# Altium PCB EASY-EAI-Nano-TB V1.01.PCBDOC (part 1 of 7)
Units mm, origin at the board's own origin, x right, y up, seen from the top; angles counter-clockwise.
Board outline 120 x 90 mm, 4 copper layers (Top Layer, GND, VCC, Bottom Layer); 667 components, 452 nets, 2251 pads, 1430 vias.
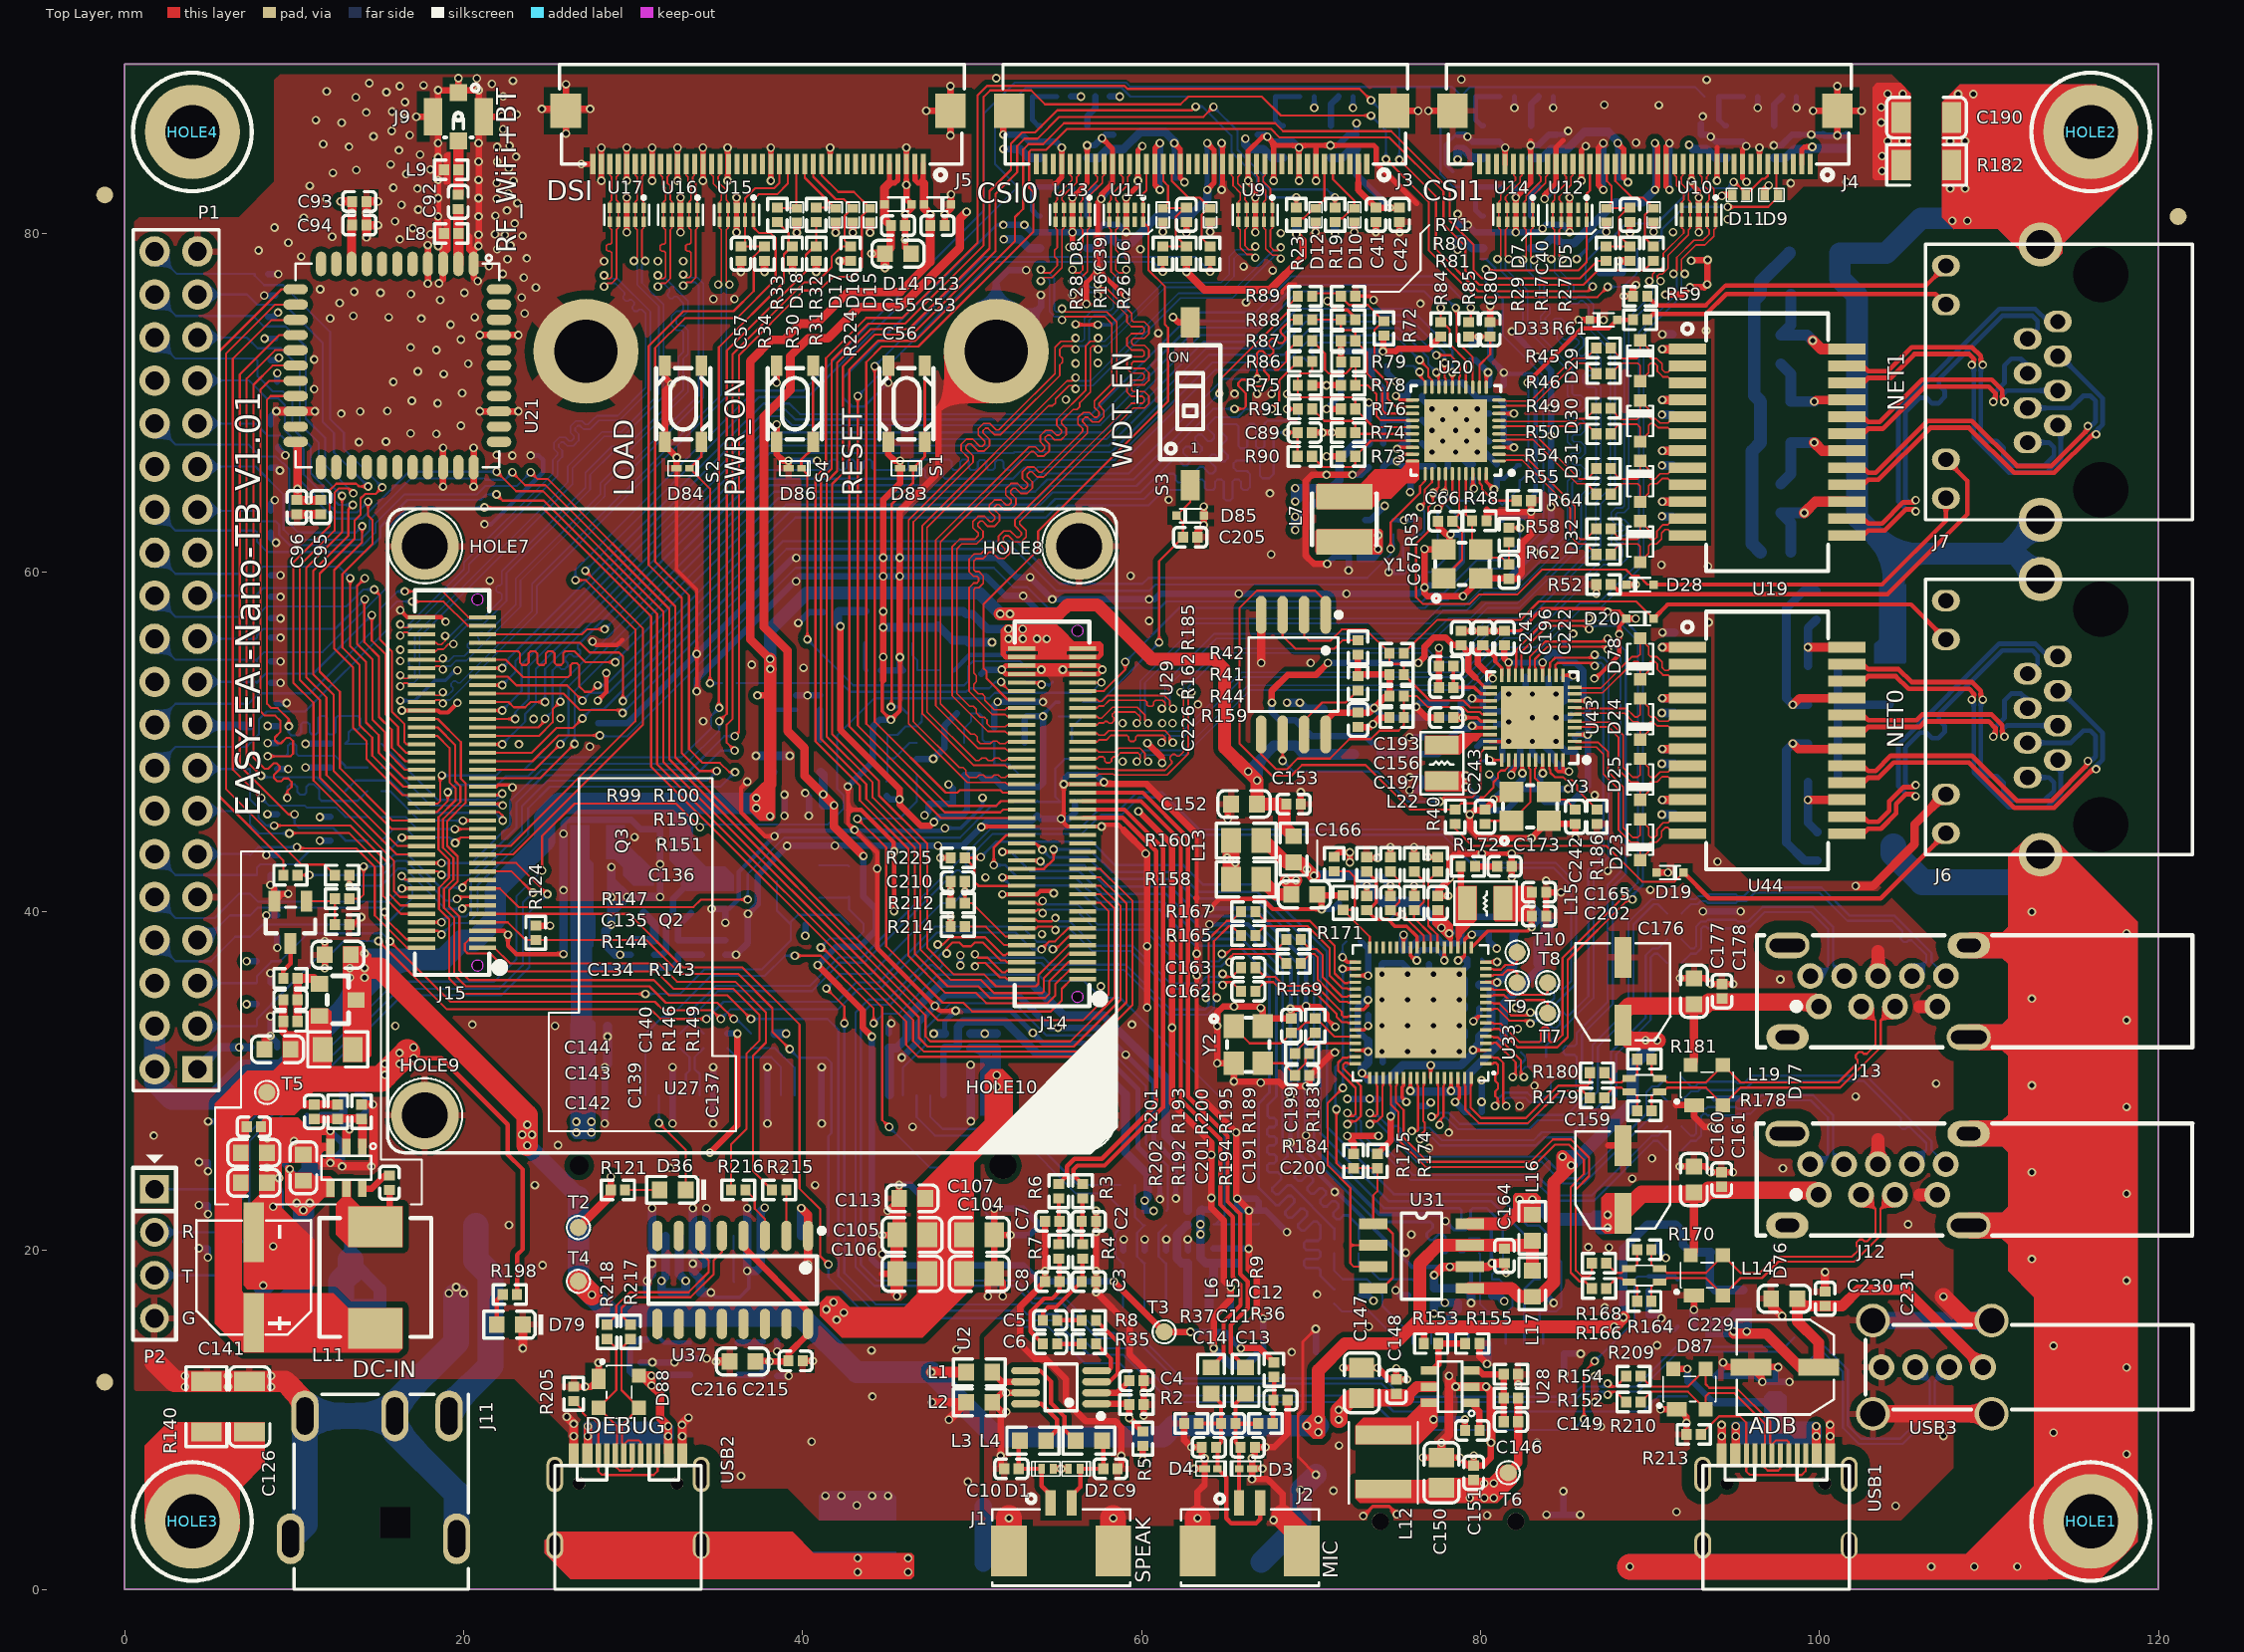
[diagram p0: Top Layer view]
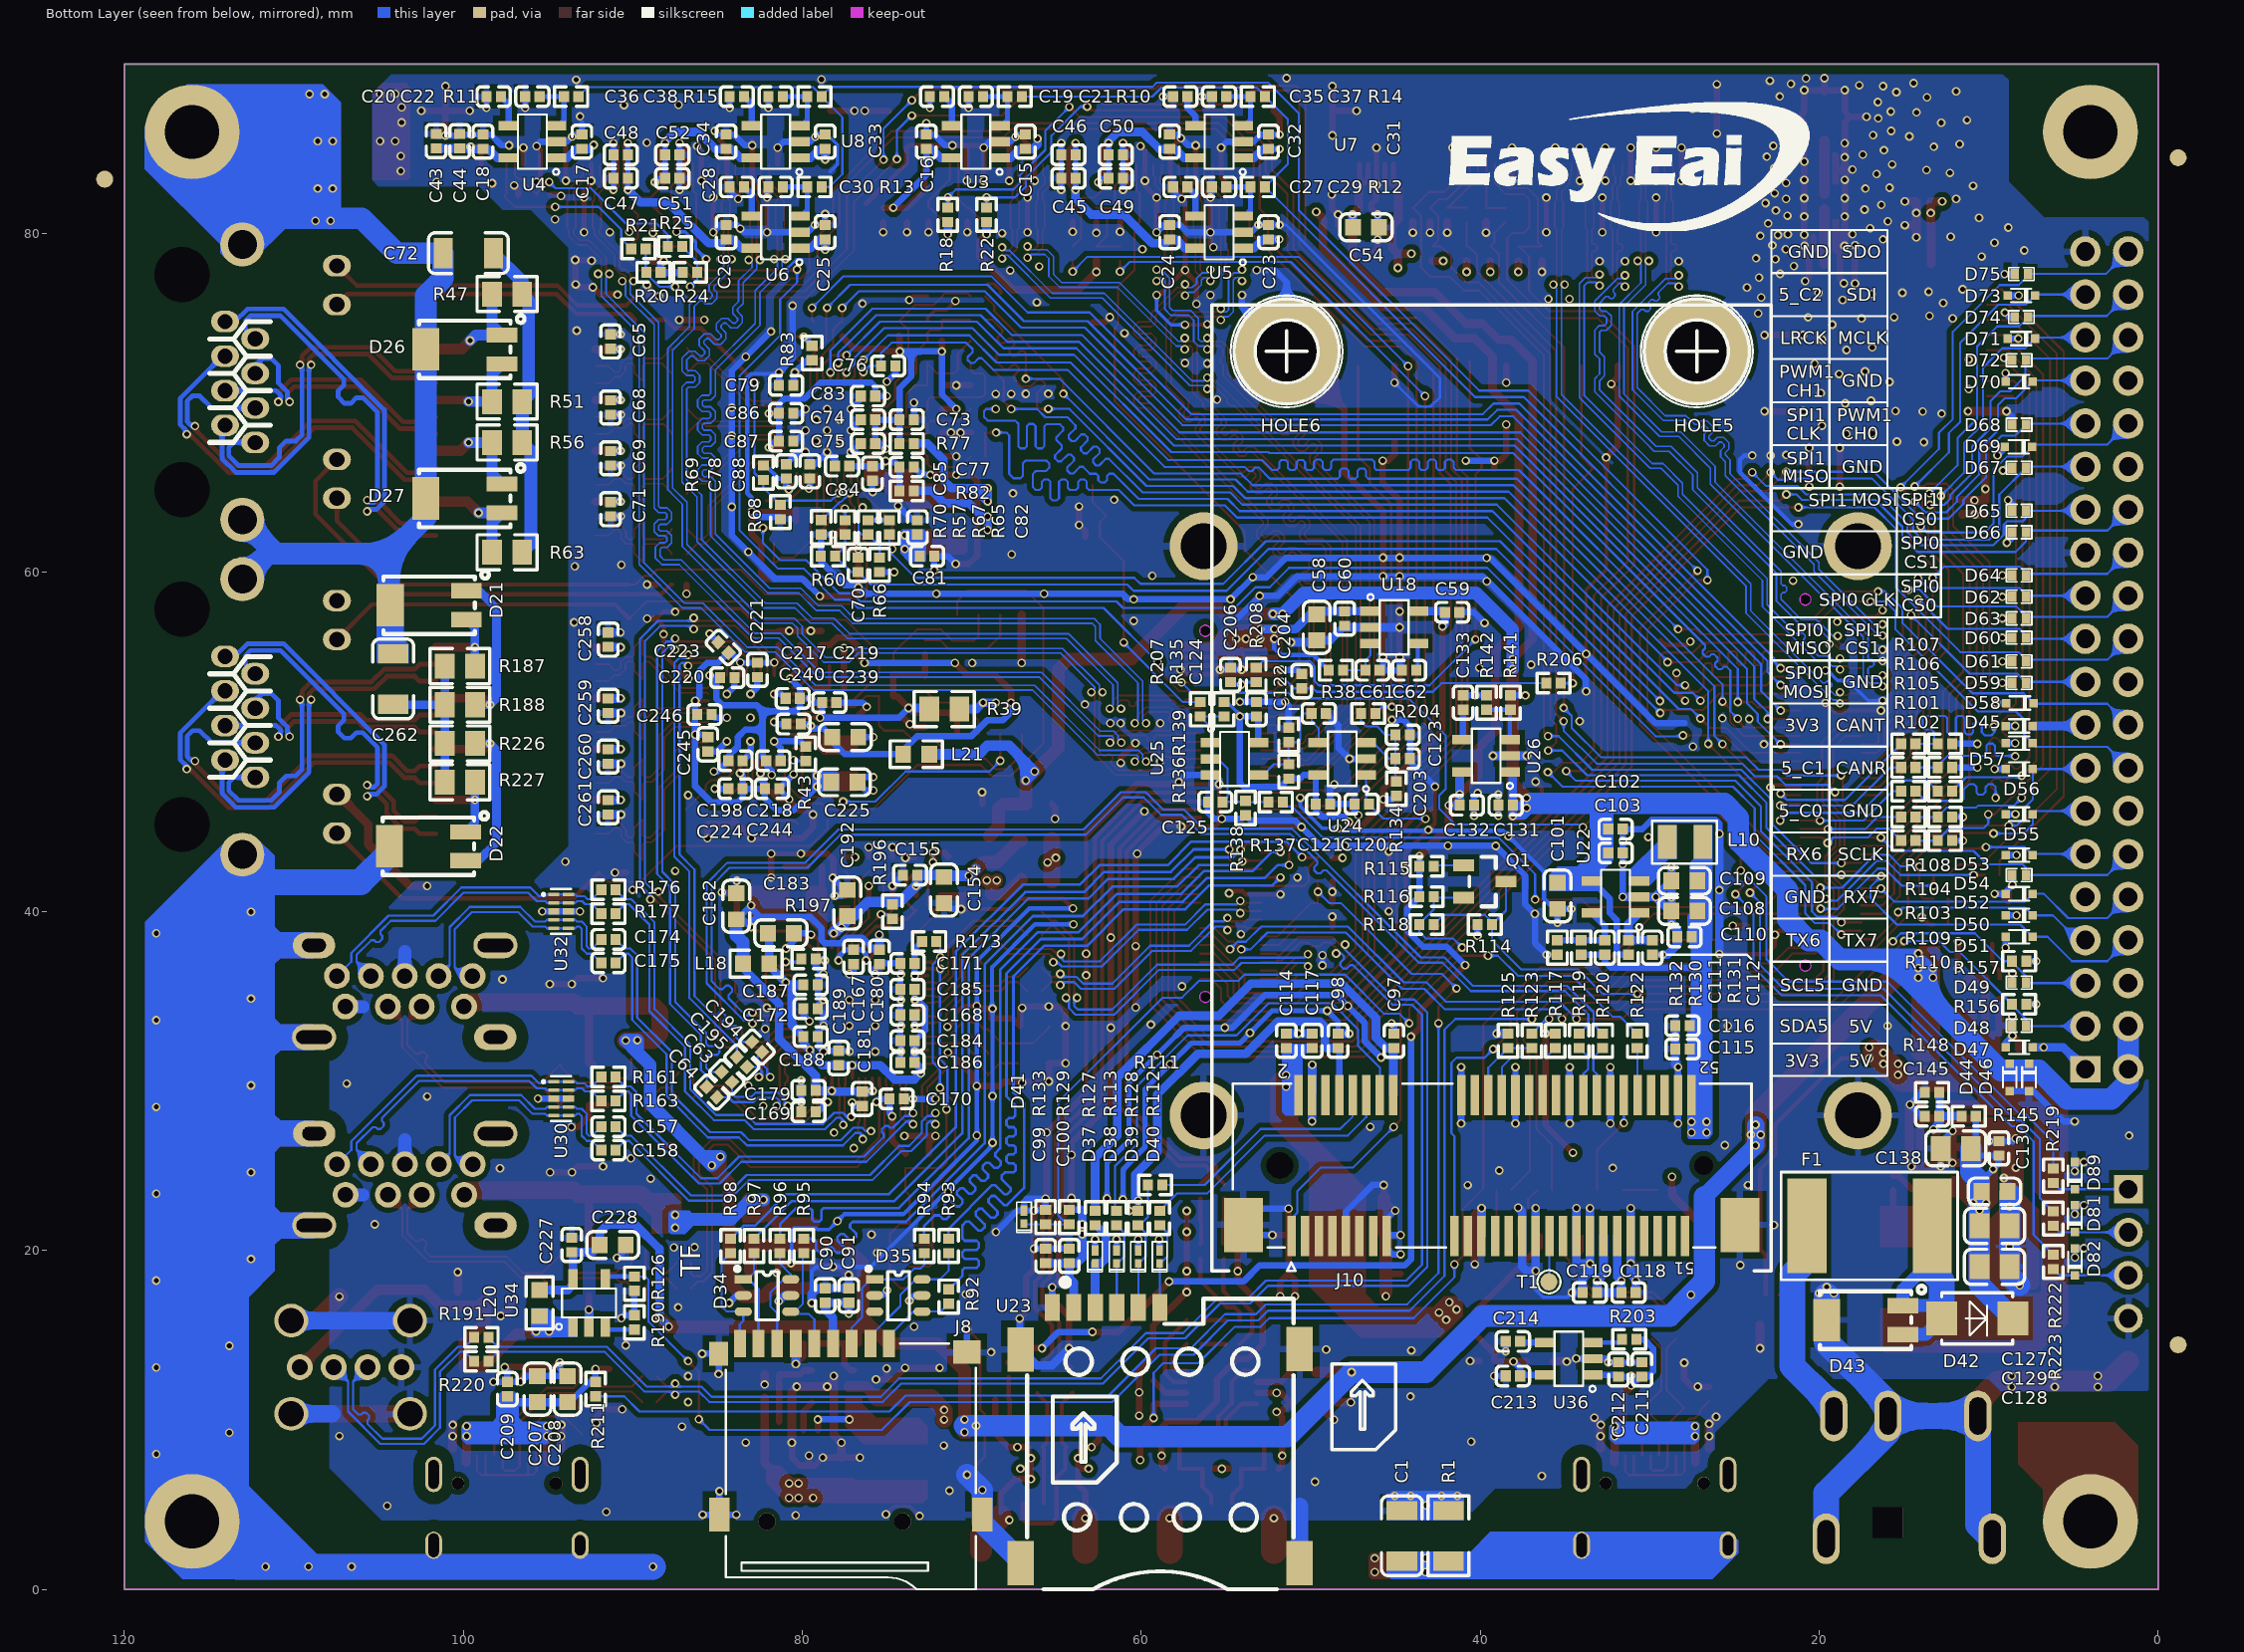
[diagram p1: Bottom Layer view, seen from below]
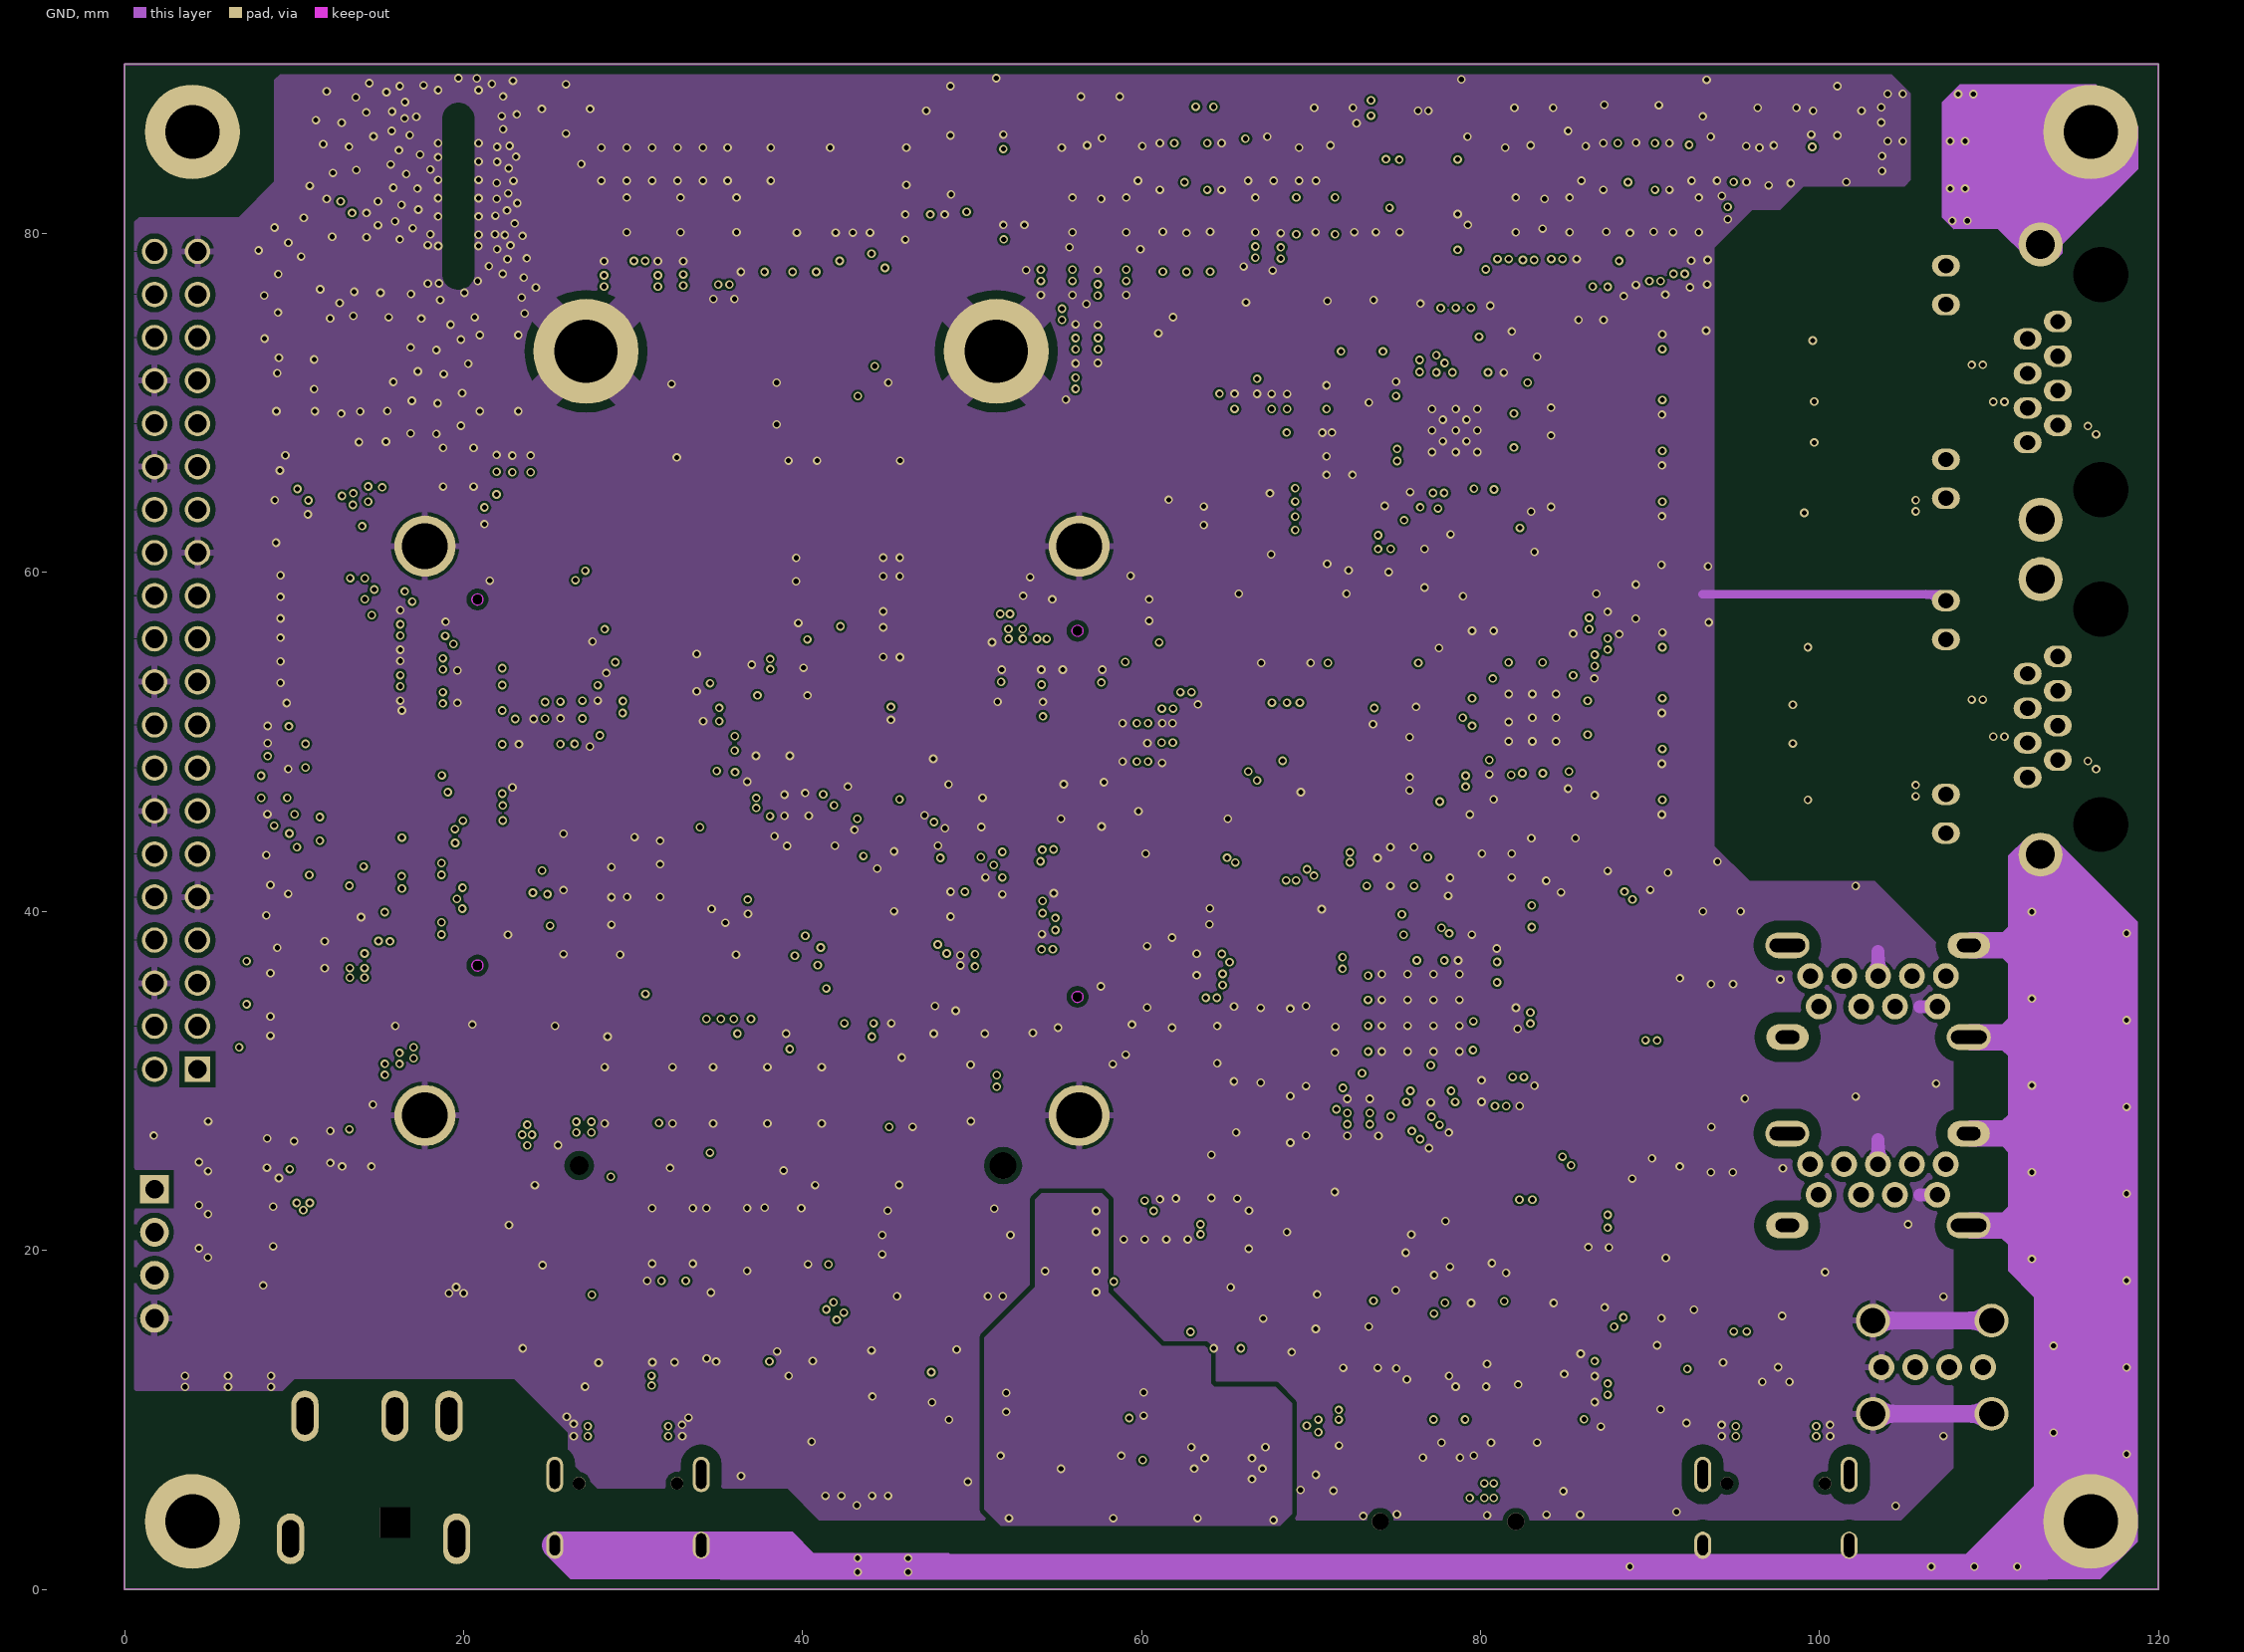
[diagram p2: GND]